# Altium PCB Temp_meter_16CH.PcbDoc (part 1 of 4) (continued)
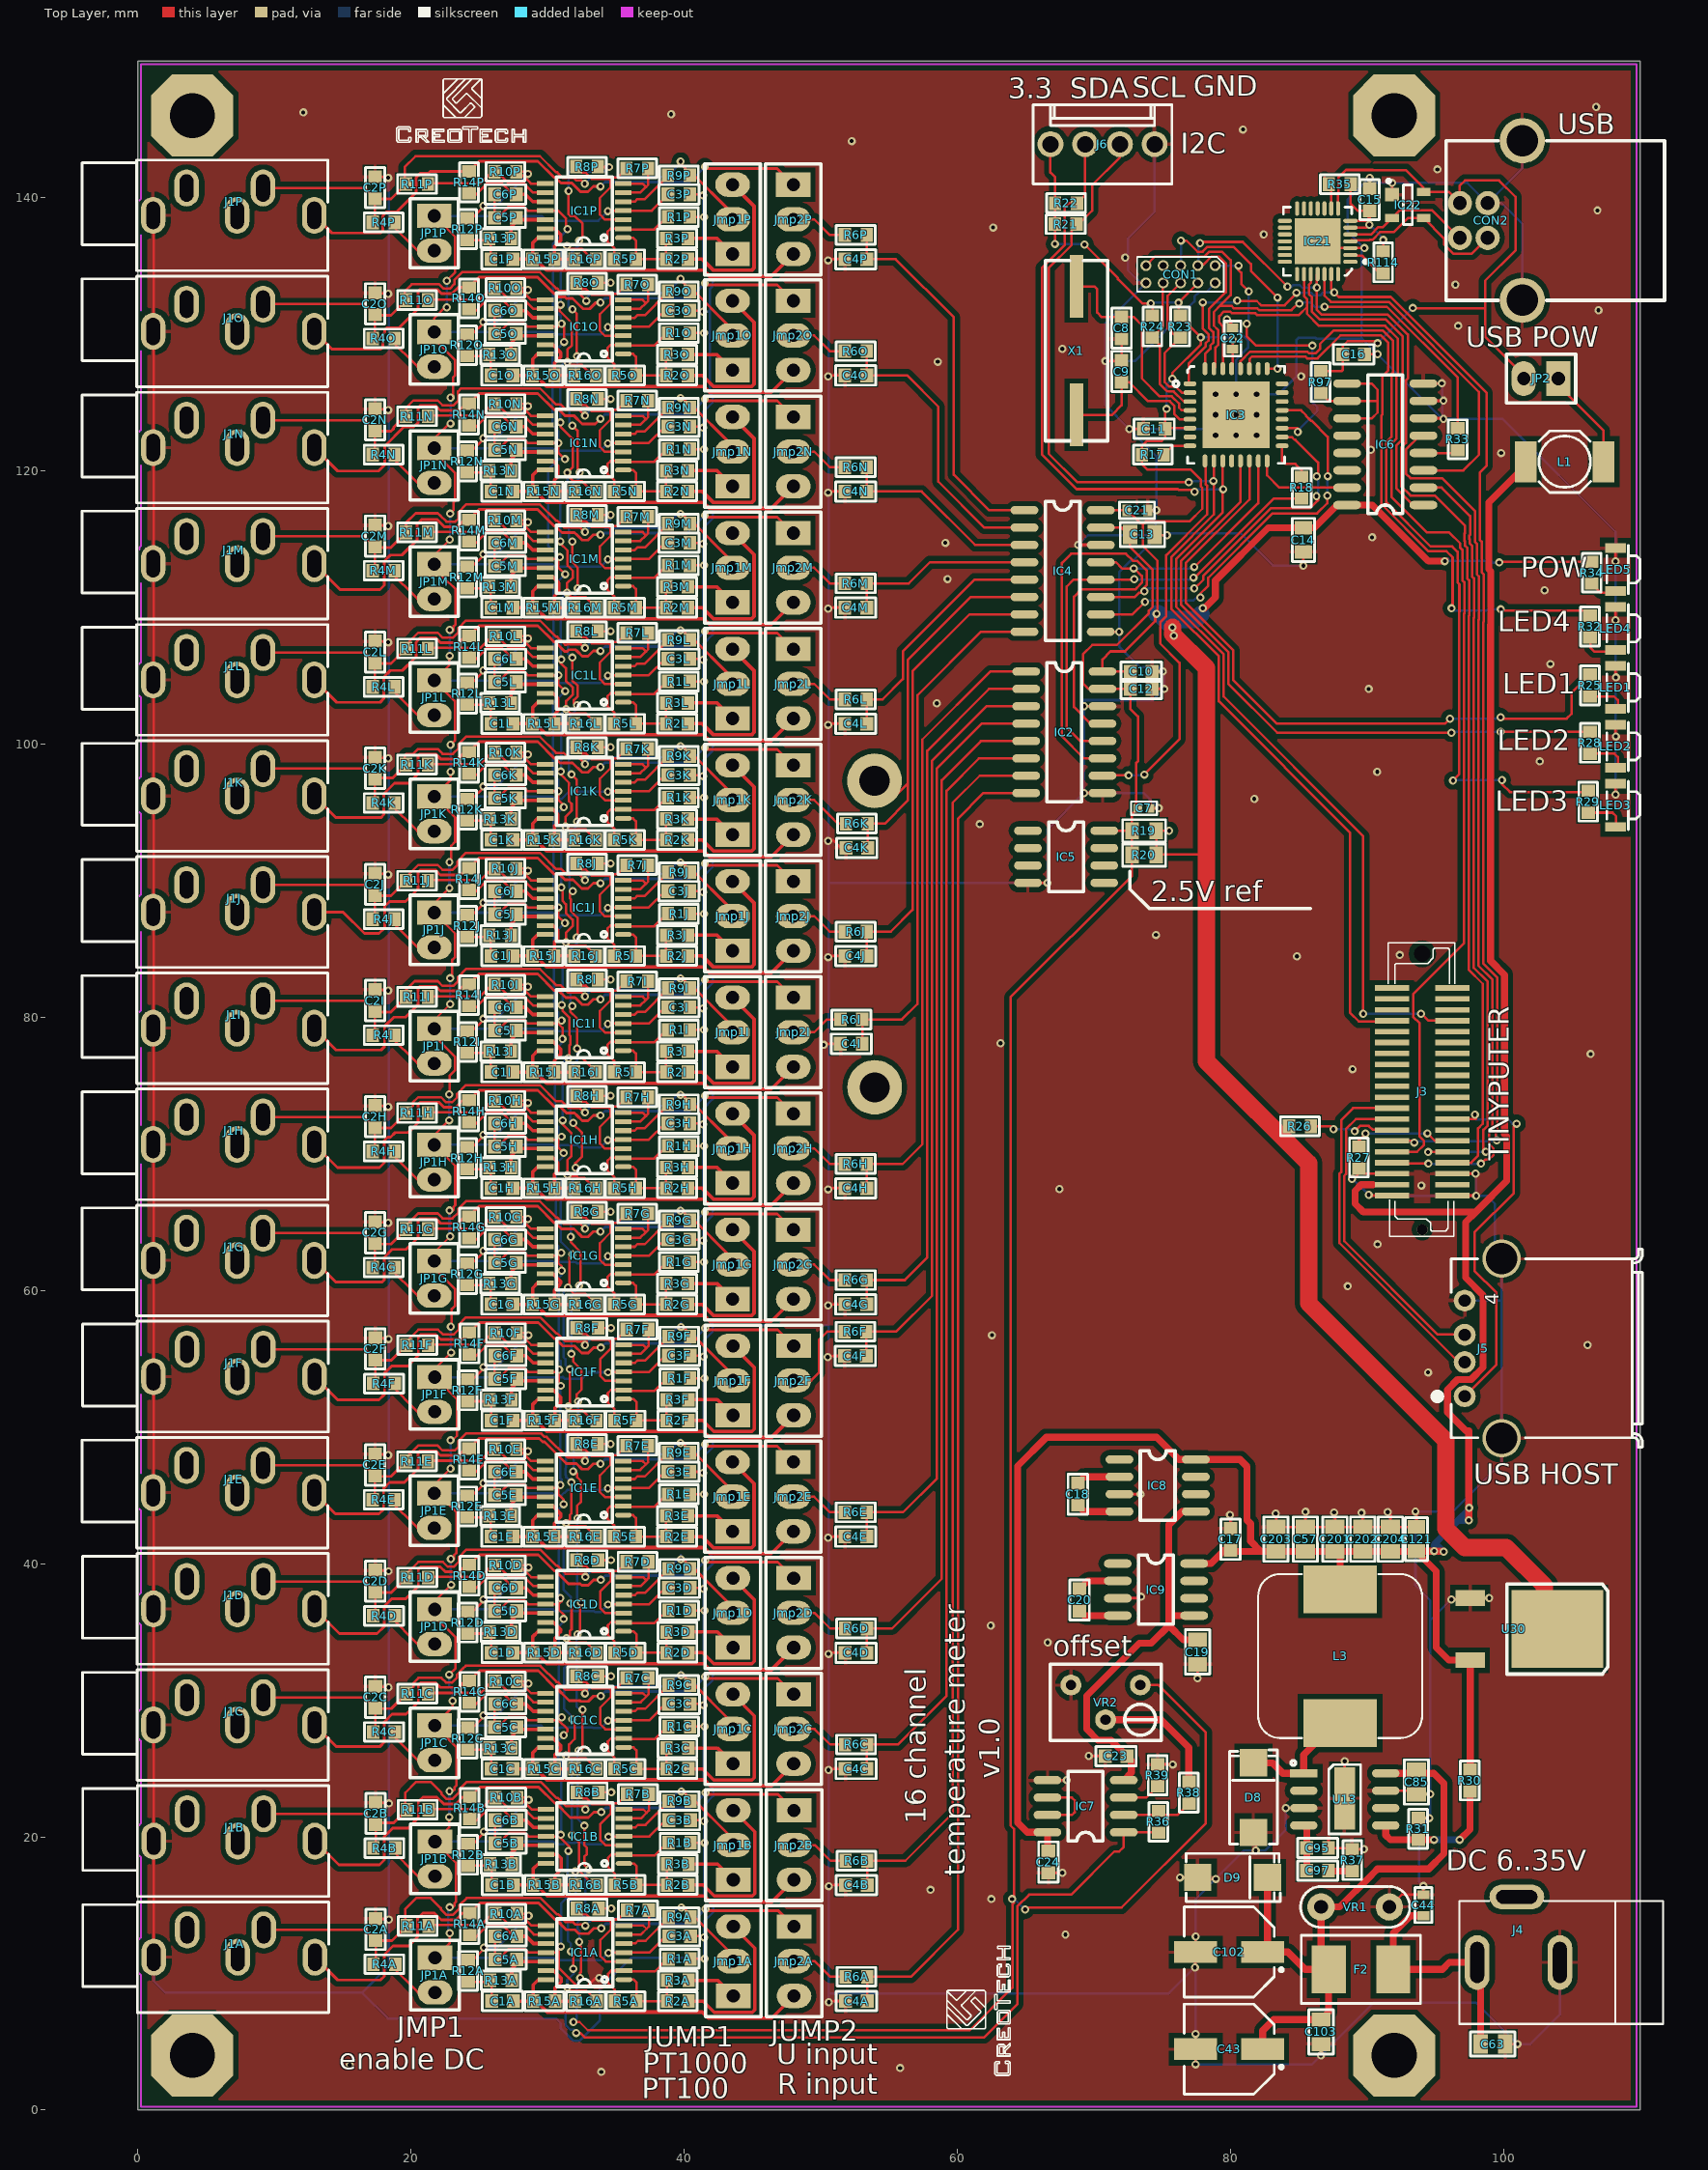
[diagram p0: Top Layer view]
## Components (designator, comment, footprint, x,y, rotation, side; value= is the part's Value field where it differs from the comment) (continued)
C6C "u1" 0603C 26.951,29.724 r180 top (schematic designator C6)
C6D "u1" 0603C 26.951,38.224 r180 top (schematic designator C6)
C6E "u1" 0603C 26.926,46.724 r180 top (schematic designator C6)
C6F "u1" 0603C 26.951,55.224 r180 top (schematic designator C6)
C6G "u1" 0603C 26.926,63.724 r180 top (schematic designator C6)
C6H "u1" 0603C 26.926,72.224 r180 top (schematic designator C6)
C6I "u1" 0603C 26.926,80.724 r180 top (schematic designator C6)
C6J "u1" 0603C 26.926,89.224 r180 top (schematic designator C6)
C6K "u1" 0603C 26.926,97.724 r180 top (schematic designator C6)
C6L "u1" 0603C 26.926,106.224 r180 top (schematic designator C6)
C6M "u1" 0603C 26.926,114.724 r180 top (schematic designator C6)
C6N "u1" 0603C 26.926,123.224 r180 top (schematic designator C6)
C6O "u1" 0603C 26.926,131.724 r180 top (schematic designator C6)
C6P "u1" 0603C 26.926,140.224 r180 top (schematic designator C6)
C7 "u1" 0402C 73.685,95.297 r0 top
C8 "22p" 0603C 72.036,130.441 r90 top
C9 "22p" 0603C 72.036,127.266 r270 top
C10 "u1" 0603C 73.475,105.295 r0 top
C11 "u1" 0603C 74.422,123.063 r180 top
C12 "u1" 0603C 73.475,104.025 r0 top
C13 "10u/10V" 0805C 73.56,115.328 r0 top
C14 "10u" 0805 85.344,114.935 r90 top
C15 "1uF" 0603C 90.197,139.839 r90 top
C16 "100nF" 0603C 89.027,128.524 r0 top
C17 "u1" 0603C 80.01,41.783 r90 top
C18 "1u" 0603C 68.834,45.085 r270 top
C19 "10u/10V" 0805C 77.597,33.528 r270 top
C20 "1u" 0603C 68.961,37.338 r270 top
C21 "u1" 0603 73.179,117.106 r0 top
C22 "u1" 0603 80.164,129.679 r90 top
C23 "1u" 0603C 71.628,25.908 r180 top
C24 "1u" 0603C 66.675,18.161 r270 top
C43 "ECLZ22/35" CAP_SMT_EL_6.3mm_D 79.91,4.457 r180 top
C44 "u1" 0603 94.134,14.998 r270 top
C57 "10u" 0805C 85.498,41.795 r90 top
C63 "u1/50V" 0805C 99.214,4.838 r0 top
C85 "u1/50V" 0805C 93.626,24.015 r270 top
C95 "220p" 0603C 86.387,19.189 r180 top
C97 "22n" 0603C 86.387,17.538 r180 top
C102 "ECLZ22/35" CAP_SMT_EL_6.3mm_D 79.91,11.569 r180 top
C103 "u1/50V" 0805C 86.641,5.727 r270 top
C121 "10u" 0805 93.626,41.795 r270 top
C201 "10u" 0805C 87.657,41.795 r90 top
C202 "10u" 0805C 89.689,41.795 r90 top
C203 "10u" 0805C 83.339,41.795 r90 top
C204 "10u" 0805C 91.721,41.795 r90 top
CON1 "goldPIN 1.27 2x5" CON_2x5_MINI 78.894,135.013 r180 top
CON2 "USB-B" USBB-G 96.801,137.045 r90 top
D8 "SK26" DO-214AA/SMB 81.688,22.872 r90 top
D9 "SK26" DO-214AA/SMB 80.164,17.03 r0 top
F2 "RFSD110" PTC_SMD_1812 89.562,10.299 r180 top
IC1A "MCP6004" TSSOP14-4.4 35.604,9.553 r180 top (schematic designator IC1)
IC1B "MCP6004" TSSOP14-4.4 35.604,18.053 r180 top (schematic designator IC1)
IC1C "MCP6004" TSSOP14-4.4 35.579,26.553 r180 top (schematic designator IC1)
IC1D "MCP6004" TSSOP14-4.4 35.579,35.053 r180 top (schematic designator IC1)
IC1E "MCP6004" TSSOP14-4.4 35.554,43.553 r180 top (schematic designator IC1)
IC1F "MCP6004" TSSOP14-4.4 35.579,52.053 r180 top (schematic designator IC1)
IC1G "MCP6004" TSSOP14-4.4 35.554,60.553 r180 top (schematic designator IC1)
IC1H "MCP6004" TSSOP14-4.4 35.554,69.053 r180 top (schematic designator IC1)
IC1I "MCP6004" TSSOP14-4.4 35.554,77.553 r180 top (schematic designator IC1)
IC1J "MCP6004" TSSOP14-4.4 35.554,86.053 r180 top (schematic designator IC1)
IC1K "MCP6004" TSSOP14-4.4 35.554,94.553 r180 top (schematic designator IC1)
IC1L "MCP6004" TSSOP14-4.4 35.554,103.053 r180 top (schematic designator IC1)
IC1M "MCP6004" TSSOP14-4.4 35.554,111.553 r180 top (schematic designator IC1)
IC1N "MCP6004" TSSOP14-4.4 35.554,120.053 r180 top (schematic designator IC1)
IC1O "MCP6004" TSSOP14-4.4 35.554,128.553 r180 top (schematic designator IC1)
IC1P "MCP6004" TSSOP14-4.4 35.554,137.053 r180 top (schematic designator IC1)
IC2 "MCP3208-CI/SL" SO-16 65.051,105.295 r0 top
IC3 "LPC1111FHN33/101" HVQFN33_QFN127P600-8N 80.418,124.091 r0 top
IC4 "MCP3208-CI/SL" SO-16 64.924,117.106 r0 top
IC5 "LM385D-2-5" SO-8 65.176,93.646 r0 top
IC6 "74HC4053D" SO-16 94.134,117.487 r180 top
IC7 "LM358D" SO-8 72.196,20.338 r180 top
IC8 "TC7660SEOA" SO-8 71.882,47.625 r0 top
IC9 "TC7660SEOA" SO-8 71.755,40.005 r0 top
IC21 "CP2102-GM" QFN50P500X500X100-29N-S335 86.387,136.791 r180 top
IC22 "PRTR5V0U2X" SOT190P230X110-4N 92.991,139.458 r0 top
J1A "PJST2060VP-CN" ST-3150-5N -4.02,12.042 r90 top (schematic designator J1)
J1B "PJST2060VP-CN" ST-3150-5N -4.02,20.542 r90 top (schematic designator J1)
J1C "PJST2060VP-CN" ST-3150-5N -4.045,29.042 r90 top (schematic designator J1)
J1D "PJST2060VP-CN" ST-3150-5N -4.045,37.542 r90 top (schematic designator J1)
J1E "PJST2060VP-CN" ST-3150-5N -4.07,46.042 r90 top (schematic designator J1)
J1F "PJST2060VP-CN" ST-3150-5N -4.045,54.542 r90 top (schematic designator J1)
J1G "PJST2060VP-CN" ST-3150-5N -4.07,63.042 r90 top (schematic designator J1)
J1H "PJST2060VP-CN" ST-3150-5N -4.07,71.542 r90 top (schematic designator J1)
J1I "PJST2060VP-CN" ST-3150-5N -4.07,80.042 r90 top (schematic designator J1)
J1J "PJST2060VP-CN" ST-3150-5N -4.07,88.542 r90 top (schematic designator J1)
J1K "PJST2060VP-CN" ST-3150-5N -4.07,97.042 r90 top (schematic designator J1)
J1L "PJST2060VP-CN" ST-3150-5N -4.07,105.542 r90 top (schematic designator J1)
J1M "PJST2060VP-CN" ST-3150-5N -4.07,114.042 r90 top (schematic designator J1)
J1N "PJST2060VP-CN" ST-3150-5N -4.07,122.542 r90 top (schematic designator J1)
J1O "PJST2060VP-CN" ST-3150-5N -4.07,131.042 r90 top (schematic designator J1)
J1P "PJST2060VP-CN" ST-3150-5N -4.07,139.542 r90 top (schematic designator J1)
J3 "Tyco 5177984-1" TYCO_5177984-1 91.848,66.941 r90 top locked
J4 "DC2020" DC2020 98.071,10.807 r270 top
J5 "USB" FCI_87520-0010BLF 97.155,55.753 r90 top
J6 "KK®" MOLEX_22-27-2041 70.639,143.903 r180 top
Jmp1A "JUMP3" jump3 43.605,8.359 r180 top (schematic designator Jmp1)
Jmp1B "JUMP3" jump3 43.605,16.859 r180 top (schematic designator Jmp1)
Jmp1C "JUMP3" jump3 43.58,25.359 r180 top (schematic designator Jmp1)
Jmp1D "JUMP3" jump3 43.58,33.859 r180 top (schematic designator Jmp1)
Jmp1E "JUMP3" jump3 43.555,42.359 r180 top (schematic designator Jmp1)
Jmp1F "JUMP3" jump3 43.58,50.859 r180 top (schematic designator Jmp1)
Jmp1G "JUMP3" jump3 43.555,59.359 r180 top (schematic designator Jmp1)
Jmp1H "JUMP3" jump3 43.555,67.859 r180 top (schematic designator Jmp1)
Jmp1I "JUMP3" jump3 43.555,76.359 r180 top (schematic designator Jmp1)
Jmp1J "JUMP3" jump3 43.555,84.859 r180 top (schematic designator Jmp1)
Jmp1K "JUMP3" jump3 43.555,93.359 r180 top (schematic designator Jmp1)
Jmp1L "JUMP3" jump3 43.555,101.859 r180 top (schematic designator Jmp1)
Jmp1M "JUMP3" jump3 43.555,110.359 r180 top (schematic designator Jmp1)
Jmp1N "JUMP3" jump3 43.555,118.859 r180 top (schematic designator Jmp1)
Jmp1O "JUMP3" jump3 43.555,127.359 r180 top (schematic designator Jmp1)
Jmp1P "JUMP3" jump3 43.555,135.859 r180 top (schematic designator Jmp1)
Jmp2A "JUMP3" jump3 48.05,13.439 r0 top (schematic designator Jmp2)
Jmp2B "JUMP3" jump3 48.05,21.939 r0 top (schematic designator Jmp2)
Jmp2C "JUMP3" jump3 48.025,30.439 r0 top (schematic designator Jmp2)
Jmp2D "JUMP3" jump3 48.025,38.939 r0 top (schematic designator Jmp2)
Jmp2E "JUMP3" jump3 48,47.439 r0 top (schematic designator Jmp2)
Jmp2F "JUMP3" jump3 48.025,55.939 r0 top (schematic designator Jmp2)
Jmp2G "JUMP3" jump3 48,64.439 r0 top (schematic designator Jmp2)
Jmp2H "JUMP3" jump3 48,72.939 r0 top (schematic designator Jmp2)
Jmp2I "JUMP3" jump3 48,81.439 r0 top (schematic designator Jmp2)
Jmp2J "JUMP3" jump3 48,89.939 r0 top (schematic designator Jmp2)
Jmp2K "JUMP3" jump3 48,98.439 r0 top (schematic designator Jmp2)
Jmp2L "JUMP3" jump3 48,106.939 r0 top (schematic designator Jmp2)
Jmp2M "JUMP3" jump3 48,115.439 r0 top (schematic designator Jmp2)
Jmp2N "JUMP3" jump3 48,123.939 r0 top (schematic designator Jmp2)
Jmp2O "JUMP3" jump3 48,132.439 r0 top (schematic designator Jmp2)
Jmp2P "JUMP3" jump3 48,140.939 r0 top (schematic designator Jmp2)
JP1A "jumper" jump 21.761,11.153 r0 top (schematic designator JP1)
JP1B "jumper" jump 21.761,19.653 r0 top (schematic designator JP1)
JP1C "jumper" jump 21.736,28.153 r0 top (schematic designator JP1)
JP1D "jumper" jump 21.736,36.653 r0 top (schematic designator JP1)
JP1E "jumper" jump 21.711,45.153 r0 top (schematic designator JP1)
JP1F "jumper" jump 21.736,53.653 r0 top (schematic designator JP1)
JP1G "jumper" jump 21.711,62.153 r0 top (schematic designator JP1)
JP1H "jumper" jump 21.711,70.653 r0 top (schematic designator JP1)
JP1I "jumper" jump 21.711,79.153 r0 top (schematic designator JP1)
JP1J "jumper" jump 21.711,87.653 r0 top (schematic designator JP1)
JP1K "jumper" jump 21.711,96.153 r0 top (schematic designator JP1)
JP1L "jumper" jump 21.711,104.653 r0 top (schematic designator JP1)
JP1M "jumper" jump 21.711,113.153 r0 top (schematic designator JP1)
JP1N "jumper" jump 21.711,121.653 r0 top (schematic designator JP1)
JP1O "jumper" jump 21.711,130.153 r0 top (schematic designator JP1)
JP1P "jumper" jump 21.711,138.653 r0 top (schematic designator JP1)
JP2 "jumper" jump 104.013,126.746 r270 top
L1 "DLCSN042C-1R0M" L_DLCSN042C 101.627,120.662 r0 top
L3 "DLCSS124P-150M" choke_DLCSS124 88.038,28.333 r90 top
LED1 "LEDRA3010-GYW120" LED_KPA3010_G 108.458,104.14 r270 top
LED2 "LEDRA3010-RW120" LED_KPA3010_R 108.458,99.822 r270 top
LED3 "LEDRA3010-GYW120" LED_KPA3010_G 108.458,95.504 r270 top
LED4 "LEDRA3010-RW120" LED_KPA3010_R 108.458,108.458 r270 top
LED5 "LEDRA3010-GYW120" LED_KPA3010_G 108.458,112.776 r270 top
R1A "10k 1%" 0603R 39.676,11.073 r180 top (schematic designator R1)
R1B "10k 1%" 0603R 39.676,19.573 r180 top (schematic designator R1)
R1C "10k 1%" 0603R 39.651,28.073 r180 top (schematic designator R1)
R1D "10k 1%" 0603R 39.651,36.573 r180 top (schematic designator R1)
R1E "10k 1%" 0603R 39.626,45.073 r180 top (schematic designator R1)
R1F "10k 1%" 0603R 39.651,53.573 r180 top (schematic designator R1)
R1G "10k 1%" 0603R 39.626,62.073 r180 top (schematic designator R1)
R1H "10k 1%" 0603R 39.626,70.573 r180 top (schematic designator R1)
R1I "10k 1%" 0603R 39.626,79.073 r180 top (schematic designator R1)
R1J "10k 1%" 0603R 39.626,87.573 r180 top (schematic designator R1)
R1K "10k 1%" 0603R 39.626,96.073 r180 top (schematic designator R1)
R1L "10k 1%" 0603R 39.626,104.573 r180 top (schematic designator R1)
R1M "10k 1%" 0603R 39.626,113.073 r180 top (schematic designator R1)
R1N "10k 1%" 0603R 39.626,121.573 r180 top (schematic designator R1)
R1O "10k 1%" 0603R 39.626,130.073 r180 top (schematic designator R1)
R1P "10k 1%" 0603R 39.626,138.573 r180 top (schematic designator R1)
R2A "24k 1%" 0603R 39.541,7.978 r0 top (schematic designator R2)
R2B "24k 1%" 0603R 39.541,16.478 r0 top (schematic designator R2)
R2C "24k 1%" 0603R 39.516,24.978 r0 top (schematic designator R2)
R2D "24k 1%" 0603R 39.516,33.478 r0 top (schematic designator R2)
R2E "24k 1%" 0603R 39.491,41.978 r0 top (schematic designator R2)
R2F "24k 1%" 0603R 39.516,50.478 r0 top (schematic designator R2)
R2G "24k 1%" 0603R 39.491,58.978 r0 top (schematic designator R2)
R2H "24k 1%" 0603R 39.491,67.478 r0 top (schematic designator R2)
R2I "24k 1%" 0603R 39.491,75.978 r0 top (schematic designator R2)
R2J "24k 1%" 0603R 39.491,84.478 r0 top (schematic designator R2)
R2K "24k 1%" 0603R 39.491,92.978 r0 top (schematic designator R2)
R2L "24k 1%" 0603R 39.491,101.478 r0 top (schematic designator R2)
R2M "24k 1%" 0603R 39.491,109.978 r0 top (schematic designator R2)
R2N "24k 1%" 0603R 39.491,118.478 r0 top (schematic designator R2)
R2O "24k 1%" 0603R 39.491,126.978 r0 top (schematic designator R2)
R2P "24k 1%" 0603R 39.491,135.478 r0 top (schematic designator R2)
R3A "2k4 1%" 0603R 39.541,9.502 r0 top (schematic designator R3)
R3B "2k4 1%" 0603R 39.541,18.002 r0 top (schematic designator R3)
R3C "2k4 1%" 0603R 39.516,26.502 r0 top (schematic designator R3)
R3D "2k4 1%" 0603R 39.516,35.002 r0 top (schematic designator R3)
R3E "2k4 1%" 0603R 39.491,43.502 r0 top (schematic designator R3)
R3F "2k4 1%" 0603R 39.516,52.002 r0 top (schematic designator R3)
R3G "2k4 1%" 0603R 39.491,60.502 r0 top (schematic designator R3)
R3H "2k4 1%" 0603R 39.491,69.002 r0 top (schematic designator R3)
R3I "2k4 1%" 0603R 39.491,77.502 r0 top (schematic designator R3)
R3J "2k4 1%" 0603R 39.491,86.002 r0 top (schematic designator R3)
R3K "2k4 1%" 0603R 39.491,94.502 r0 top (schematic designator R3)
R3L "2k4 1%" 0603R 39.491,103.002 r0 top (schematic designator R3)
R3M "2k4 1%" 0603R 39.491,111.502 r0 top (schematic designator R3)
R3N "2k4 1%" 0603R 39.491,120.002 r0 top (schematic designator R3)
R3O "2k4 1%" 0603R 39.491,128.502 r0 top (schematic designator R3)
R3P "2k4 1%" 0603R 39.491,137.002 r0 top (schematic designator R3)
R4A "100R" 0603R 18.059,10.68 r180 top (schematic designator R4)
R4B "100R" 0603R 18.059,19.18 r180 top (schematic designator R4)
R4C "100R" 0603R 18.034,27.68 r180 top (schematic designator R4)
R4D "100R" 0603R 18.034,36.18 r180 top (schematic designator R4)
R4E "100R" 0603R 18.009,44.68 r180 top (schematic designator R4)
R4F "100R" 0603R 18.034,53.18 r180 top (schematic designator R4)
R4G "100R" 0603R 18.009,61.68 r180 top (schematic designator R4)
R4H "100R" 0603R 18.009,70.18 r180 top (schematic designator R4)
R4I "100R" 0603R 18.009,78.68 r180 top (schematic designator R4)
R4J "100R" 0603R 18.009,87.18 r180 top (schematic designator R4)
R4K "100R" 0603R 18.009,95.68 r180 top (schematic designator R4)
R4L "100R" 0603R 18.009,104.18 r180 top (schematic designator R4)
R4M "100R" 0603R 18.009,112.68 r180 top (schematic designator R4)
R4N "100R" 0603R 18.009,121.18 r180 top (schematic designator R4)
R4O "100R" 0603R 18.009,129.68 r180 top (schematic designator R4)
R4P "100R" 0603R 18.009,138.18 r180 top (schematic designator R4)
R5A "10k 1%" 0603R 35.731,7.978 r0 top (schematic designator R5)
R5B "10k 1%" 0603R 35.731,16.478 r0 top (schematic designator R5)
R5C "10k 1%" 0603R 35.706,24.978 r0 top (schematic designator R5)
R5D "10k 1%" 0603R 35.706,33.478 r0 top (schematic designator R5)
R5E "10k 1%" 0603R 35.681,41.978 r0 top (schematic designator R5)
R5F "10k 1%" 0603R 35.706,50.478 r0 top (schematic designator R5)
R5G "10k 1%" 0603R 35.681,58.978 r0 top (schematic designator R5)
R5H "10k 1%" 0603R 35.681,67.478 r0 top (schematic designator R5)
R5I "10k 1%" 0603R 35.681,75.978 r0 top (schematic designator R5)
R5J "10k 1%" 0603R 35.681,84.478 r0 top (schematic designator R5)
R5K "10k 1%" 0603R 35.681,92.978 r0 top (schematic designator R5)
R5L "10k 1%" 0603R 35.681,101.478 r0 top (schematic designator R5)
R5M "10k 1%" 0603R 35.681,109.978 r0 top (schematic designator R5)
R5N "10k 1%" 0603R 35.681,118.478 r0 top (schematic designator R5)
R5O "10k 1%" 0603R 35.681,126.978 r0 top (schematic designator R5)
R5P "10k 1%" 0603R 35.681,135.478 r0 top (schematic designator R5)
R6A "10k" 0603R 52.622,9.756 r180 top (schematic designator R6)
R6B "10k" 0603R 52.622,18.256 r180 top (schematic designator R6)
R6C "10k" 0603R 52.597,26.756 r180 top (schematic designator R6)
R6D "10k" 0603R 52.597,35.256 r180 top (schematic designator R6)
R6E "10k" 0603R 52.572,43.756 r180 top (schematic designator R6)
R6F "10k" 0603R 52.547,56.981 r180 top (schematic designator R6)
R6G "10k" 0603R 52.572,60.756 r180 top (schematic designator R6)
R6H "10k" 0603R 52.572,69.256 r180 top (schematic designator R6)
R6I "10k" 0603R 52.247,79.831 r180 top (schematic designator R6)
R6J "10k" 0603R 52.572,86.256 r180 top (schematic designator R6)
R6K "10k" 0603R 52.654,94.168 r180 top (schematic designator R6)
R6L "10k" 0603R 52.572,103.256 r180 top (schematic designator R6)
R6M "10k" 0603R 52.572,111.756 r180 top (schematic designator R6)
R6N "10k" 0603R 52.572,120.256 r180 top (schematic designator R6)
R6O "10k" 0603R 52.572,128.756 r180 top (schematic designator R6)
R6P "10k" 0603R 52.572,137.256 r180 top (schematic designator R6)
R7A "10k 1%" 0603R 36.628,14.629 r180 top (schematic designator R7)
R7B "10k 1%" 0603R 36.628,23.129 r180 top (schematic designator R7)
R7C "10k 1%" 0603R 36.603,31.629 r180 top (schematic designator R7)
R7D "10k 1%" 0603R 36.603,40.129 r180 top (schematic designator R7)
R7E "10k 1%" 0603R 36.578,48.629 r180 top (schematic designator R7)
R7F "10k 1%" 0603R 36.603,57.129 r180 top (schematic designator R7)
R7G "10k 1%" 0603R 36.578,65.629 r180 top (schematic designator R7)
R7H "10k 1%" 0603R 36.578,74.129 r180 top (schematic designator R7)
R7I "10k 1%" 0603R 36.578,82.629 r180 top (schematic designator R7)
R7J "10k 1%" 0603R 36.578,91.129 r180 top (schematic designator R7)
R7K "10k 1%" 0603R 36.578,99.629 r180 top (schematic designator R7)
R7L "10k 1%" 0603R 36.578,108.129 r180 top (schematic designator R7)
R7M "10k 1%" 0603R 36.578,116.629 r180 top (schematic designator R7)
R7N "10k 1%" 0603R 36.578,125.129 r180 top (schematic designator R7)
R7O "10k 1%" 0603R 36.578,133.629 r180 top (schematic designator R7)
R7P "10k 1%" 0603R 36.578,142.129 r180 top (schematic designator R7)
R8A "10k 1%" 0603R 32.945,14.756 r0 top (schematic designator R8)
R8B "10k 1%" 0603R 32.945,23.256 r0 top (schematic designator R8)
R8C "10k 1%" 0603R 32.92,31.756 r0 top (schematic designator R8)
R8D "10k 1%" 0603R 32.92,40.256 r0 top (schematic designator R8)
R8E "10k 1%" 0603R 32.895,48.756 r0 top (schematic designator R8)
R8F "10k 1%" 0603R 32.92,57.256 r0 top (schematic designator R8)
R8G "10k 1%" 0603R 32.895,65.756 r0 top (schematic designator R8)
R8H "10k 1%" 0603R 32.895,74.256 r0 top (schematic designator R8)
R8I "10k 1%" 0603R 32.895,82.756 r0 top (schematic designator R8)
R8J "10k 1%" 0603R 32.895,91.256 r0 top (schematic designator R8)
R8K "10k 1%" 0603R 32.895,99.756 r0 top (schematic designator R8)
R8L "10k 1%" 0603R 32.895,108.256 r0 top (schematic designator R8)
R8M "10k 1%" 0603R 32.895,116.756 r0 top (schematic designator R8)
R8N "10k 1%" 0603R 32.895,125.256 r0 top (schematic designator R8)
R8O "10k 1%" 0603R 32.895,133.756 r0 top (schematic designator R8)
R8P "10k 1%" 0603R 32.895,142.256 r0 top (schematic designator R8)
R9A "10k 1%" 0603R 39.676,14.121 r180 top (schematic designator R9)
R9B "10k 1%" 0603R 39.676,22.621 r180 top (schematic designator R9)
R9C "10k 1%" 0603R 39.651,31.121 r180 top (schematic designator R9)
R9D "10k 1%" 0603R 39.651,39.621 r180 top (schematic designator R9)
R9E "10k 1%" 0603R 39.626,48.121 r180 top (schematic designator R9)
R9F "10k 1%" 0603R 39.651,56.621 r180 top (schematic designator R9)
R9G "10k 1%" 0603R 39.626,65.121 r180 top (schematic designator R9)
R9H "10k 1%" 0603R 39.626,73.621 r180 top (schematic designator R9)
R9I "10k 1%" 0603R 39.626,82.121 r180 top (schematic designator R9)
R9J "10k 1%" 0603R 39.626,90.621 r180 top (schematic designator R9)
R9K "10k 1%" 0603R 39.626,99.121 r180 top (schematic designator R9)
R9L "10k 1%" 0603R 39.626,107.621 r180 top (schematic designator R9)
R9M "10k 1%" 0603R 39.626,116.121 r180 top (schematic designator R9)
R9N "10k 1%" 0603R 39.626,124.621 r180 top (schematic designator R9)
R9O "10k 1%" 0603R 39.626,133.121 r180 top (schematic designator R9)
R9P "10k 1%" 0603R 39.626,141.621 r180 top (schematic designator R9)
R10A "100k 1%" 0603R 26.976,14.375 r0 top (schematic designator R10)
R10B "100k 1%" 0603R 26.976,22.875 r0 top (schematic designator R10)
R10C "100k 1%" 0603R 26.951,31.375 r0 top (schematic designator R10)
R10D "100k 1%" 0603R 26.951,39.875 r0 top (schematic designator R10)
R10E "100k 1%" 0603R 26.926,48.375 r0 top (schematic designator R10)
R10F "100k 1%" 0603R 26.951,56.875 r0 top (schematic designator R10)
R10G "100k 1%" 0603R 26.926,65.375 r0 top (schematic designator R10)
R10H "100k 1%" 0603R 26.926,73.875 r0 top (schematic designator R10)
R10I "100k 1%" 0603R 26.926,82.375 r0 top (schematic designator R10)
R10J "100k 1%" 0603R 26.926,90.875 r0 top (schematic designator R10)
R10K "100k 1%" 0603R 26.926,99.375 r0 top (schematic designator R10)
R10L "100k 1%" 0603R 26.926,107.875 r0 top (schematic designator R10)
R10M "100k 1%" 0603R 26.926,116.375 r0 top (schematic designator R10)
R10N "100k 1%" 0603R 26.926,124.875 r0 top (schematic designator R10)
R10O "100k 1%" 0603R 26.926,133.375 r0 top (schematic designator R10)
R10P "100k 1%" 0603R 26.926,141.875 r0 top (schematic designator R10)
R11A "100k 1%" 0603R 20.499,13.486 r0 top (schematic designator R11)
R11B "100k 1%" 0603R 20.499,21.986 r0 top (schematic designator R11)
R11C "100k 1%" 0603R 20.474,30.486 r0 top (schematic designator R11)
R11D "100k 1%" 0603R 20.474,38.986 r0 top (schematic designator R11)
R11E "100k 1%" 0603R 20.449,47.486 r0 top (schematic designator R11)
R11F "100k 1%" 0603R 20.474,55.986 r0 top (schematic designator R11)
R11G "100k 1%" 0603R 20.449,64.486 r0 top (schematic designator R11)
R11H "100k 1%" 0603R 20.449,72.986 r0 top (schematic designator R11)
R11I "100k 1%" 0603R 20.449,81.486 r0 top (schematic designator R11)
R11J "100k 1%" 0603R 20.449,89.986 r0 top (schematic designator R11)
R11K "100k 1%" 0603R 20.449,98.486 r0 top (schematic designator R11)
R11L "100k 1%" 0603R 20.449,106.986 r0 top (schematic designator R11)
R11M "100k 1%" 0603R 20.449,115.486 r0 top (schematic designator R11)
R11N "100k 1%" 0603R 20.449,123.986 r0 top (schematic designator R11)
R11O "100k 1%" 0603R 20.449,132.486 r0 top (schematic designator R11)
R11P "100k 1%" 0603R 20.449,140.986 r0 top (schematic designator R11)
R12A "10k 1%" 0603R 24.182,10.184 r270 top (schematic designator R12)
R12B "10k 1%" 0603R 24.182,18.684 r270 top (schematic designator R12)
R12C "10k 1%" 0603R 24.157,27.184 r270 top (schematic designator R12)
R12D "10k 1%" 0603R 24.157,35.684 r270 top (schematic designator R12)
R12E "10k 1%" 0603R 24.132,44.184 r270 top (schematic designator R12)
R12F "10k 1%" 0603R 24.157,52.684 r270 top (schematic designator R12)
R12G "10k 1%" 0603R 24.132,61.184 r270 top (schematic designator R12)
R12H "10k 1%" 0603R 24.132,69.684 r270 top (schematic designator R12)
R12I "10k 1%" 0603R 24.132,78.184 r270 top (schematic designator R12)
R12J "10k 1%" 0603R 24.132,86.684 r270 top (schematic designator R12)
R12K "10k 1%" 0603R 24.132,95.184 r270 top (schematic designator R12)
R12L "10k 1%" 0603R 24.132,103.684 r270 top (schematic designator R12)
R12M "10k 1%" 0603R 24.132,112.184 r270 top (schematic designator R12)
R12N "10k 1%" 0603R 24.132,120.684 r270 top (schematic designator R12)
R12O "10k 1%" 0603R 24.132,129.184 r270 top (schematic designator R12)
R12P "10k 1%" 0603R 24.132,137.684 r270 top (schematic designator R12)
R13A "10k 1%" 0603R 26.587,9.502 r0 top (schematic designator R13)
R13B "10k 1%" 0603R 26.587,18.002 r0 top (schematic designator R13)
R13C "10k 1%" 0603R 26.562,26.502 r0 top (schematic designator R13)
R13D "10k 1%" 0603R 26.562,35.002 r0 top (schematic designator R13)
R13E "10k 1%" 0603R 26.537,43.502 r0 top (schematic designator R13)
R13F "10k 1%" 0603R 26.562,52.002 r0 top (schematic designator R13)
R13G "10k 1%" 0603R 26.537,60.502 r0 top (schematic designator R13)
R13H "10k 1%" 0603R 26.537,69.002 r0 top (schematic designator R13)
R13I "10k 1%" 0603R 26.537,77.502 r0 top (schematic designator R13)
R13J "10k 1%" 0603R 26.537,86.002 r0 top (schematic designator R13)
R13K "10k 1%" 0603R 26.537,94.502 r0 top (schematic designator R13)
R13L "10k 1%" 0603R 26.537,103.002 r0 top (schematic designator R13)
R13M "10k 1%" 0603R 26.537,111.502 r0 top (schematic designator R13)
R13N "10k 1%" 0603R 26.537,120.002 r0 top (schematic designator R13)
R13O "10k 1%" 0603R 26.537,128.502 r0 top (schematic designator R13)
R13P "10k 1%" 0603R 26.537,137.002 r0 top (schematic designator R13)
R14A "10k 1%" 0603R 24.309,13.613 r270 top (schematic designator R14)
R14B "10k 1%" 0603R 24.309,22.113 r270 top (schematic designator R14)
R14C "10k 1%" 0603R 24.284,30.613 r270 top (schematic designator R14)
R14D "10k 1%" 0603R 24.284,39.113 r270 top (schematic designator R14)
R14E "10k 1%" 0603R 24.259,47.613 r270 top (schematic designator R14)
R14F "10k 1%" 0603R 24.284,56.113 r270 top (schematic designator R14)
R14G "10k 1%" 0603R 24.259,64.613 r270 top (schematic designator R14)
R14H "10k 1%" 0603R 24.259,73.113 r270 top (schematic designator R14)
R14I "10k 1%" 0603R 24.259,81.613 r270 top (schematic designator R14)
R14J "10k 1%" 0603R 24.259,90.113 r270 top (schematic designator R14)
R14K "10k 1%" 0603R 24.259,98.613 r270 top (schematic designator R14)
R14L "10k 1%" 0603R 24.259,107.113 r270 top (schematic designator R14)
R14M "10k 1%" 0603R 24.259,115.613 r270 top (schematic designator R14)
R14N "10k 1%" 0603R 24.259,124.113 r270 top (schematic designator R14)
R14O "10k 1%" 0603R 24.259,132.613 r270 top (schematic designator R14)
R14P "10k 1%" 0603R 24.259,141.113 r270 top (schematic designator R14)
R15A "100k 1%" 0603R 29.762,7.978 r180 top (schematic designator R15)
R15B "100k 1%" 0603R 29.762,16.478 r180 top (schematic designator R15)
R15C "100k 1%" 0603R 29.737,24.978 r180 top (schematic designator R15)
R15D "100k 1%" 0603R 29.737,33.478 r180 top (schematic designator R15)
R15E "100k 1%" 0603R 29.712,41.978 r180 top (schematic designator R15)
R15F "100k 1%" 0603R 29.737,50.478 r180 top (schematic designator R15)
R15G "100k 1%" 0603R 29.712,58.978 r180 top (schematic designator R15)
R15H "100k 1%" 0603R 29.712,67.478 r180 top (schematic designator R15)
R15I "100k 1%" 0603R 29.712,75.978 r180 top (schematic designator R15)
R15J "100k 1%" 0603R 29.712,84.478 r180 top (schematic designator R15)
R15K "100k 1%" 0603R 29.712,92.978 r180 top (schematic designator R15)
R15L "100k 1%" 0603R 29.712,101.478 r180 top (schematic designator R15)
R15M "100k 1%" 0603R 29.712,109.978 r180 top (schematic designator R15)
R15N "100k 1%" 0603R 29.712,118.478 r180 top (schematic designator R15)
R15O "100k 1%" 0603R 29.712,126.978 r180 top (schematic designator R15)
R15P "100k 1%" 0603R 29.712,135.478 r180 top (schematic designator R15)
R16A "100k 1%" 0603R 32.81,7.978 r180 top (schematic designator R16)
R16B "100k 1%" 0603R 32.81,16.478 r180 top (schematic designator R16)
R16C "100k 1%" 0603R 32.785,24.978 r180 top (schematic designator R16)
R16D "100k 1%" 0603R 32.785,33.478 r180 top (schematic designator R16)
R16E "100k 1%" 0603R 32.76,41.978 r180 top (schematic designator R16)
R16F "100k 1%" 0603R 32.785,50.478 r180 top (schematic designator R16)
R16G "100k 1%" 0603R 32.76,58.978 r180 top (schematic designator R16)
R16H "100k 1%" 0603R 32.76,67.478 r180 top (schematic designator R16)
R16I "100k 1%" 0603R 32.76,75.978 r180 top (schematic designator R16)
R16J "100k 1%" 0603R 32.76,84.478 r180 top (schematic designator R16)
R16K "100k 1%" 0603R 32.76,92.978 r180 top (schematic designator R16)
R16L "100k 1%" 0603R 32.76,101.478 r180 top (schematic designator R16)
R16M "100k 1%" 0603R 32.76,109.978 r180 top (schematic designator R16)
R16N "100k 1%" 0603R 32.76,118.478 r180 top (schematic designator R16)
R16O "100k 1%" 0603R 32.76,126.978 r180 top (schematic designator R16)
R16P "100k 1%" 0603R 32.76,135.478 r180 top (schematic designator R16)
R17 "10k" 0603r 74.322,121.17 r180 top
R18 "1k" 0603R 85.217,118.757 r90 top
R19 "220R" 0805 73.685,93.646 r0 top
R20 "220R" 0805 73.685,91.868 r0 top
R21 "10k" 0603R 67.945,138.049 r180 top
R22 "10k" 0603R 67.972,139.585 r180 top
R23 "10k" 0603r 76.327,130.556 r90 top
R24 "10k" 0603r 74.295,130.556 r90 top
R25 "1k" 0603r 106.326,104.279 r270 top
R26 "1k" 0603R 85.09,72.009 r180 top
R27 "1k" 0603R 89.408,69.723 r270 top
R28 "1k" 0603r 106.326,100.088 r270 top
R29 "1k" 0603r 106.199,95.77 r270 top
R30 "3k" 0603R 97.536,24.13 r270 top
R31 "1k" 0603R 93.753,20.586 r90 top
R32 "1k" 0603r 106.326,108.597 r270 top
R33 "10k" 0603r 96.647,122.301 r270 top
R34 "1k" 0603r 106.453,112.534 r270 top
R35 "3k3" 0603R 88.011,140.97 r0 top
R36 "10k 1%" 0603R 74.736,21.1 r90 top
R37 "4k7" 0603R 88.927,18.3 r270 top
R38 "10k 1%" 0603R 76.962,23.241 r90 top
R39 "4k7" 0603R 74.676,24.511 r90 top
R97 "3k3" 0603R 86.614,126.492 r90 top
R114 "3k3" 0603R 91.186,135.255 r270 top
U13 "E-L5973D" PDSO-8 85.371,24.65 r0 top
U30 "S1117-3.3D" TO-252 97.563,37.477 r270 top
VR1 "V07N390" Varistor_7mm 86.641,14.871 r0 top
VR2 "POT67Y103" trimpot1 74.93,32.639 r180 top
X1 "8MHz" HC-49SM 68.734,128.79 r270 top

## Footprints (in the part's own frame and the unit in brackets; to place one, negate y for a bottom-side part, rotate by r counter-clockwise, add the part's x,y. Pads: shape width x height; smd on the part's side, far side on the other; paste and mask are expansions set on the pad)
0402C [mm]
  rect 0.62x0.62 smd: 1(-0.45,0) 2(0.45,0)
  silkscreen extent -0.94,-0.48 0.94,0.48, body extent -0.52,-0.27 0.53,0.28, height 0.55
0603 [mm]
  rect 0.65x0.85 smd: 1(-0.775,0) 2(0.775,0)
  silkscreen extent -1.3,-0.61 1.27,0.61, body extent -0.87,-0.47 0.88,0.48, height 0.55
0603C [mm]
  rect 0.95x1 smd: 1(-0.8,0) 2(0.8,0)
  silkscreen extent -1.47,-0.71 1.47,0.71, body extent -0.87,-0.47 0.88,0.48, height 0.87
0603R [mm]
  rect 0.9x1 smd: 1(-0.8,0) 2(0.8,0)
  silkscreen extent -1.42,-0.69 1.42,0.69, body extent -0.87,-0.47 0.88,0.48, height 0.55
0603r [mm]
  rect 0.9x1 smd: 1(-0.8,0) 2(0.8,0)
  silkscreen extent -1.42,-0.69 1.42,0.69, body extent -0.87,-0.47 0.88,0.48, height 0.55
0805 [mm]
  rect 1x1.25 smd: 1(-0.889,0) 2(0.889,0)
  silkscreen extent -1.57,-0.81 1.57,0.81, body extent -1.1,-0.67 1.1,0.68, height 0.5
0805C [mm]
  rect 1.05x1.4 smd: 1(-0.9,0) 2(0.9,0)
  silkscreen extent -1.63,-0.89 1.63,0.89, body extent -1.05,-0.67 1.05,0.68, height 1.25
CAP_SMT_EL_6.3mm_D [mm]
  rect 3.15x1.6 smd: 1(-2.45,0) 2(2.45,0)
  silkscreen extent -3.95,-3.3 3.3,3.3, body extent -3.9,-3.4 3.9,3.4, height 5.7
choke_DLCSS124 [mm] "Maritex"
  rect 3.5x5.4 smd: 1(0,0) 2(9.8,0)
  silkscreen extent -1.1,-6 10.9,6, body extent -1.52,-6.53 11.28,6.27, height 8
CON_2x5_MINI [mm] "1.27 dual goldpin"
  round 0.8 hole 0.5: 1(0,0) 2(0,1.27) 3(1.27,0) 4(1.27,1.27) 5(2.54,0) 6(2.54,1.27) 7(3.81,0) 8(3.81,1.27) 9(5.08,0) 10(5.08,1.27)
  silkscreen extent -0.64,-0.64 5.71,1.91, body extent -0.64,-0.64 5.71,1.91, height 0.7
DC2020 [mm]
  oval 4x1.8 hole 1 slot 3 at 0 deg: 1(0,6.05) 3(0,0)
  oval 1.8x4 hole 1 slot 3 at 90 deg: 2(-4.8,2.9)
  silkscreen extent -4.5,-1.3 4.5,13.6, body extent -4.9,-1.02 4.5,13.61, height 11
DO-214AA/SMB [mm] "diode (Maritex)"
  rect 2x2 smd: A(-2.55,0) K(2.55,0)
  silkscreen extent -3.4,-1.75 3.5,1.75, body extent -2.67,-1.94 2.73,1.96, height 2.44
FCI_87520-0010BLF [mm] "USB 2.0 Type A Receptacle, 4 Pins, Right Angle, Shielded"
  round 1.6 hole 0.9: 1(-3.5,0) 2(-1,0) 3(1,0) 4(3.5,0)
  round 2.8 hole 2.3: 5(-6.57,-2.71) 5(6.57,-2.71)
  silkscreen extent -7.24,-13.01 7.26,2.25, body extent -7.9,-13.05 7.9,1.11, height 7.55
HC-49SM [mil]
  rect 180x39.37 smd: 1(185,0) 2(-185,0)
  silkscreen extent -260,-90 260,90, body extent -250,-94 250,94, height 63
HVQFN33_QFN127P600-8N [mm]
  oval 0.95x0.35 smd: 1(-3.375,2.275) 2(-3.375,1.625) 3(-3.375,0.975) 4(-3.375,0.325) 5(-3.375,-0.325) 6(-3.375,-0.975) 7(-3.375,-1.625) 8(-3.375,-2.275) 17(3.375,-2.275) 18(3.375,-1.625) 19(3.375,-0.975) 20(3.375,-0.325) 21(3.375,0.325) 22(3.375,0.975) 23(3.375,1.625) 24(3.375,2.275)
  oval 0.35x0.95 smd: 9(-2.275,-3.375) 10(-1.625,-3.375) 11(-0.975,-3.375) 12(-0.325,-3.375) 13(0.325,-3.375) 14(0.975,-3.375) 15(1.625,-3.375) 16(2.275,-3.375) 25(2.275,3.375) 26(1.625,3.375) 27(0.975,3.375) 28(0.325,3.375) 29(-0.325,3.375) 30(-0.975,3.375) 31(-1.625,3.375) 32(-2.275,3.375)
  rect 4.9x4.9 smd: 33(0,0)
  silkscreen extent -4.6,-3.55 3.55,3.55, body extent -3.55,-3.55 3.55,3.55, height 1
jump [mil]
  rect 100x70 hole 38: 1(0,0)
  oval 100x70 hole 38: 2(0,-100)
  silkscreen extent -70,-150 70,50, body extent -49,-151 47,49, height 315
jump3 [mil]
  rect 100x70 hole 38: 1(0,0)
  oval 100x70 hole 38: 2(0,-100) 3(0,-200)
  silkscreen extent -80,-260 80,60, body extent -48,-250 48,50, height 315
L_DLCSN042C [mm] "Choke Power CSN042C"
  rect 1.6x3 smd: 1(0,0) 2(5.7,0)
  silkscreen extent 0.97,-2.25 4.75,2.25, body extent -0.4,-2.19 6.2,2.26, height 2.92
LED_KPA3010_G [mm]
  rect 0.7x1.5 smd: A(1.575,-0.25) K(-1.575,-0.25)
  silkscreen extent -1.75,-0.89 1.78,1.53, body extent -1.52,-0.89 1.52,1.53, height 1
LED_KPA3010_R [mm]
  rect 0.7x1.5 smd: A(1.575,-0.25) K(-1.575,-0.25)
  silkscreen extent -1.75,-0.89 1.78,1.53, body extent -1.52,-0.89 1.52,1.53, height 1
MOLEX_22-27-2041 [mm] "2.54mm (.100\") Pitch KK® Header, Single Row, Vertical, 4 Circuits"
  round 1.9 hole 1.2: 1(-3.81,0) 2(-1.27,0) 3(1.27,0) 4(3.81,0)
  silkscreen extent -5.08,-2.88 5.08,2.92, body extent -5.08,-2.88 5.08,2.92, height 11.7
PDSO-8 [mm]
  rect 1.524x4.572 smd: 0(2.997,-1.829)
  rect 2x0.6 smd: 1(0,0)
  oval 2x0.6 smd: 2(0,-1.27) 3(0,-2.54) 4(0,-3.81) 5(6,-3.81) 6(6,-2.54) 7(6,-1.27) 8(6,0)
  silkscreen extent -0.93,-4.44 4.16,0.93, body extent -0.36,-4.39 5.84,0.61, height 1.75
PTC_SMD_1812 [mm] "PTC FUSE SMD1812 (Maritex)"
  rect 2.5x3.5 smd: 1(-2.365,0) 2(2.365,0)
  silkscreen extent -4.37,-2.5 4.37,2.5, body extent -2.36,-1.68 2.37,1.73, height 0.89
QFN50P500X500X100-29N-S335 [mm] "QFN, 0.50mm Pitch, Square; 28 pin, 5.00mm L X 5.00mm W X 1.00mm H body (w/thermal tab 3.35 X 3.35mm),  IPC Medium Density"
  oval 1.05x0.3 smd: 1(-2.4,1.5) 2(-2.4,1) 3(-2.4,0.5) 4(-2.4,0) 5(-2.4,-0.5) 6(-2.4,-1) 7(-2.4,-1.5) 15(2.4,-1.5) 16(2.4,-1) 17(2.4,-0.5) 18(2.4,0) 19(2.4,0.5) 20(2.4,1) 21(2.4,1.5)
  oval 0.3x1.05 smd: 8(-1.5,-2.4) 9(-1,-2.4) 10(-0.5,-2.4) 11(0,-2.4) 12(0.5,-2.4) 13(1,-2.4) 14(1.5,-2.4) 22(1.5,2.4) 23(1,2.4) 24(0.5,2.4) 25(0,2.4) 26(-0.5,2.4) 27(-1,2.4) 28(-1.5,2.4)
  rect 3.35x3.35 smd: 29(0,0)
  silkscreen extent -3.63,-2.5 2.5,2.5, body extent -2.5,-2.5 2.5,2.5, height 1
SO-8 [mil]
  oval 80x24 smd: 1(0,0) 2(0,-50) 3(0,-100) 4(0,-150) 5(220,-150) 6(220,-100) 7(220,-50) 8(220,0)
  silkscreen extent 60,-175 160,25, body extent -14,-173 230,24, height 69
SO-16 [mil]
  oval 80x24 smd: 1(0,0) 2(0,-50) 3(0,-100) 4(0,-150) 5(0,-200) 6(0,-250) 7(0,-300) 8(0,-350) 9(220,-350) 10(220,-300) 11(220,-250) 12(220,-200) 13(220,-150) 14(220,-100) 15(220,-50) 16(220,0)
  silkscreen extent 60,-375 160,25, body extent -16,-372 228,22, height 69
SOT190P230X110-4N [mm] "SOT143, SOT, 1.90mm Pitch; 4 Pin, 1.30mm W X 2.90mm L X 1.10mm H body, IPC Medium Density"
  rect 1x1 smd: 1(-1.15,0.75)
  rect 1x0.6 smd: 2(-1.15,-0.95) 3(1.15,-0.95) 4(1.15,0.95)
  silkscreen extent -1.52,-1.45 0.33,1.87, body extent -1.25,-1.5 1.25,1.5, height 1.1
ST-3150-5N [mm] "Connector; Stereo Jack, 3.5mm, 5 Position"
  oval 2.7x1.8 hole 1 slot 2 at 0 deg: 1(-0.85,-5.2) 2(1.15,-7.65) 3(-0.85,-11.35) 4(1.15,-13.25) 5(-0.85,-17)
  silkscreen extent -4.9,-18 3.2,0, body extent -4.9,-18 3.2,0, height 12.3
TO-252 [mil]
  rect 45x85 smd: 1(0,0) 3(179,0)
  rect 225x265 smd: 2(89,251)
  silkscreen extent -41,106 219,396, body extent -42,-25 223,379, height 94